# KiCad board Full Keyboard.kicad_pcb (continued)
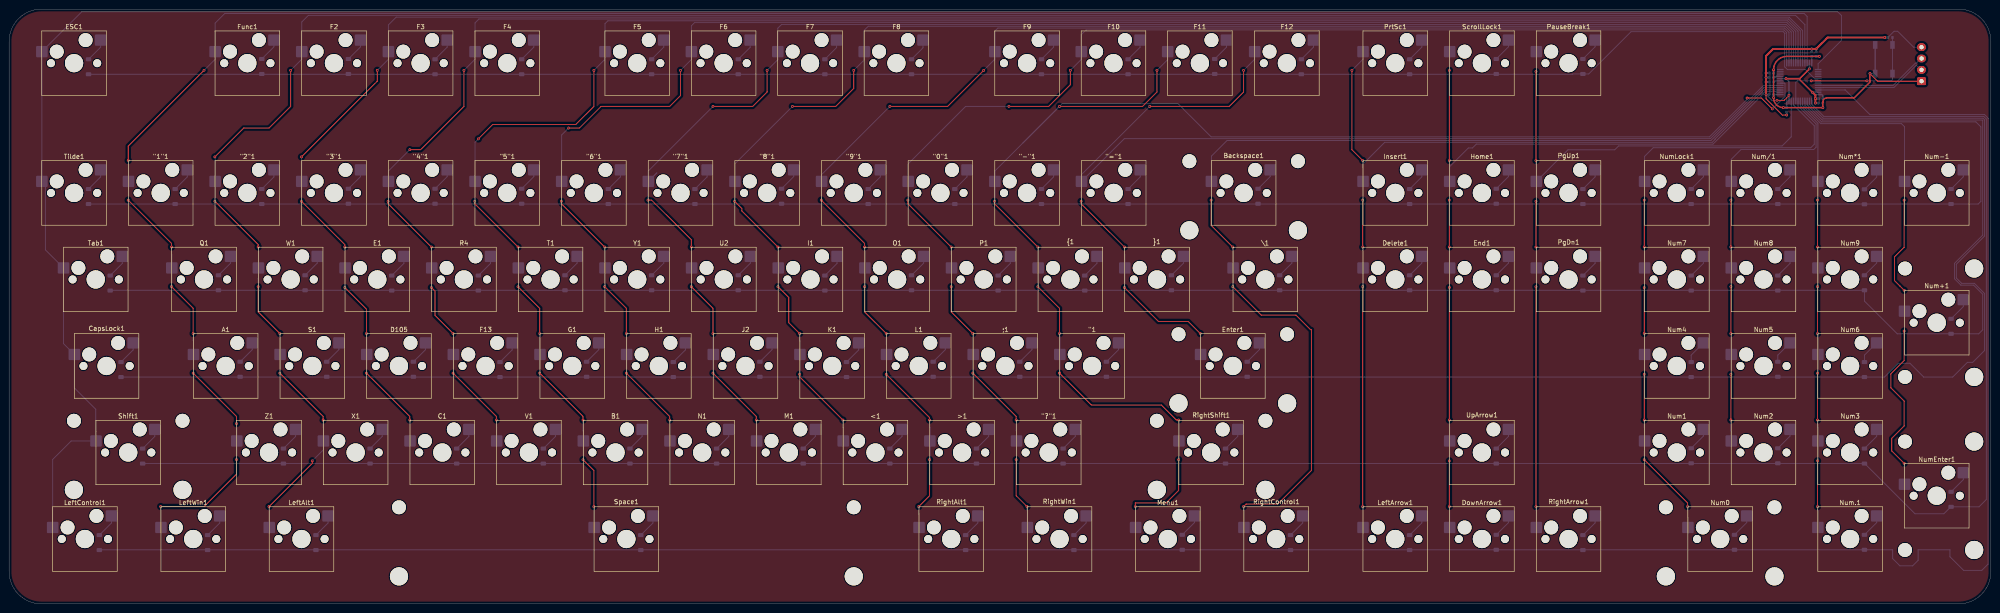
[diagram p0: board, top side]
## Nets (continued)
Net-(D28-A): "-"1.2 D28.2
Net-(D29-A): "="1.2 D29.2
Net-(D30-A): Backspace1.2 D30.2
Net-(D31-A): D31.2 Insert1.2
Net-(D32-A): D32.2 Home1.2
Net-(D33-A): D33.2 PgUp1.2
Net-(D34-A): D34.2 NumLock1.2
Net-(D35-A): D35.2 Num/1.2
Net-(D36-A): D36.2 Num*1.2
Net-(D37-A): D37.2 Num-1.2
Net-(D38-A): D38.2 Tab1.2
Net-(D39-A): D39.2 Q1.2
Net-(D40-A): D40.2 W1.2
Net-(D41-A): D41.2 E1.2
Net-(D42-A): D42.2 R4.2
Net-(D43-A): D43.2 T1.2
Net-(D44-A): D44.2 Y1.2
Net-(D45-A): D45.2 U2.2
Net-(D46-A): D46.2 I1.2
Net-(D47-A): D47.2 O1.2
Net-(D48-A): D48.2 P1.2
Net-(D49-A): D49.2 {1.2
Net-(D50-A): D50.2 }1.2
Net-(D51-A): \1.2 D51.2
Net-(D52-A): D52.2 Delete1.2
Net-(D53-A): D53.2 End1.2
Net-(D54-A): D54.2 PgDn1.2
Net-(D55-A): D55.2 Num7.2
Net-(D56-A): D56.2 Num8.2
Net-(D57-A): D57.2 Num9.2
Net-(D58-A): D58.2 Num+1.2
Net-(D59-A): CapsLock1.2 D59.2
Net-(D60-A): A1.2 D60.2
Net-(D61-A): D61.2 S1.2
Net-(D62-A): D62.2 D105.2
Net-(D63-A): D63.2 F13.2
Net-(D64-A): D64.2 G1.2
Net-(D65-A): D65.2 H1.2
Net-(D66-A): D66.2 J2.2
Net-(D67-A): D67.2 K1.2
Net-(D68-A): D68.2 L1.2
Net-(D69-A): ;1.2 D69.2
Net-(D70-A): "1.2 D70.2
Net-(D71-A): D71.2 Enter1.2
Net-(D72-A): D72.2 Num5.2
Net-(D73-A): D73.2 Num6.2
Net-(D74-A): D74.2 Num4.2
Net-(D75-A): D75.2 Shift1.2
Net-(D76-A): D76.2 Z1.2
Net-(D77-A): D77.2 X1.2
Net-(D78-A): C1.2 D78.2
Net-(D79-A): D79.2 V1.2
Net-(D80-A): B1.2 D80.2
Net-(D81-A): D81.2 N1.2
Net-(D82-A): D82.2 M1.2
Net-(D83-A): <1.2 D83.2
Net-(D84-A): >1.2 D84.2
Net-(D85-A): "?"1.2 D85.2
Net-(D86-A): D86.2 RightShift1.2
Net-(D87-A): D87.2 UpArrow1.2
Net-(D88-A): D88.2 Num1.2
Net-(D89-A): D89.2 Num2.2
Net-(D90-A): D90.2 Num3.2
Net-(D91-A): D91.2 NumEnter1.2
Net-(D92-A): D92.2 LeftControl1.2
Net-(D93-A): D93.2 LeftWin1.2
Net-(D94-A): D94.2 LeftAlt1.2
Net-(D95-A): D95.2 Space1.2
Net-(D96-A): D96.2 RightAlt1.2
Net-(D97-A): D97.2 RightWin1.2
Net-(D98-A): D98.2 Menu1.2
Net-(D99-A): D99.2 RightControl1.2
Net-(D100-A): D100.2 LeftArrow1.2
Net-(D101-A): D101.2 DownArrow1.2
Net-(D102-A): D102.2 RightArrow1.2
Net-(D103-A): D103.2 Num0.2
Net-(D104-A): D104.2 Num.1.2

## Via types
v1: diameter 0.6, hole 0.3, Top to Bottom, 181 vias

## Routing (per net, layer and track width the routed paths; a pad name or vN(x,y) marks a point on that pad's centre or on a via; arc(x,y) is an arc through that point)
+3.3V: length 79.5
  Top w0.2: v1(409.18,116.77) 410.86,115.09 J3.1
  Top w0.3: v1(409.18,116.77) 409.18,114.89 405.71,111.43 399.73,111.43 arc(399.08,111.16) 398.81,110.51 v1(398.81,109.27) v1(390.15,109.27) arc(388.61,109.91) v1(387.97,111.45) v1(387.97,117.6) arc(388.83,119.69) 390.92,120.56 v1(398.06,120.56)
  Bottom w0.3: U1.1 C10.2 v1(387.97,111.45) ; v1(409.18,116.77) SW1.1 SW1.1 ; v1(398.06,120.56) C12.2 C11.2 U1.24 ; U1.9 388.77,116.16 388.7,116.16 388.65,116.15 388.61,116.14 388.58,116.13 388.56,116.12 arc(388.33,115.97) 388.07,115.91 C14.2 C15.2 v1(387.97,117.61) ; U1.36 398.47,112.16 arc(398.71,112.06) 398.81,111.82 C16.2 C17.2 v1(398.81,109.27) ; U1.48 C13.2 v1(390.15,109.27)
GND: length 90.3
  Top w0.2: v1(391.36,112.01) 391.36,111.94 390.29,110.86 v1(388.74,110.86) ; v1(390.86,107.63) 389.92,107.63 386.33,111.22 v1(386.33,112.16)
  Top w0.3: v1(395.86,117.81) 393.71,115.66 v1(390.71,115.66) 393.51,115.66 v1(396.51,112.66)
  Top w0.4: v1(396.51,112.66) 397.17,112 v1(397.17,111.24) v1(397.17,110.26) ; v1(412.43,124.71) 399.86,124.71 v1(397.35,122.2) v1(396.36,122.2) 387.87,122.2 386.33,120.65 v1(386.33,116.89) v1(386.33,114.91) v1(386.33,112.16)
  Bottom w0.2: C10.1 v1(386.33,112.16) 387.64,110.85 388.75,110.85 388.74,110.86 v1(388.74,110.86) ; J3.4 418.76,122.59 415.26,126.09 414.48,126.09 R1.1
  Bottom w0.3: U1.47 v1(391.36,112.01) 391.36,115.01 v1(390.71,115.66) U1.8 ; U1.35 v1(396.51,112.66) ; U1.23 v1(395.86,117.81)
  Bottom w0.4: C7.2 v1(386.33,114.91) ; R1.1 v1(412.43,124.71) ; C13.1 v1(390.86,107.63) ; C11.1 v1(396.36,122.2) ; v1(397.17,111.24) C16.1 ; C14.1 v1(386.33,115.91) ; C15.1 v1(386.33,116.89) ; v1(397.17,110.26) C17.1 ; C12.1 v1(397.35,122.2)
/BOOT0: length 34.9
  Top w0.2: v1(408.53,115.16) v1(396.27,115.16)
  Bottom w0.2: U1.44 392.86,114.75 arc(392.98,115.04) 393.27,115.16 v1(396.27,115.16) ; v1(408.53,115.16) 413.76,115.17 arc(414.02,115.28) 414.12,115.54 SW1.2 SW1.2 414.13,124.71
/NRST: length 1.5
  Bottom w0.2: U1.7 388.57,115.16 arc(388.25,115.1) C7.1
Col0: length 530.6
  Bottom w0.2: U1.25 397.77,118.93 402.88,124.04 402.91,124.04 402.91,129.54 402.06,130.39 15.99,130.39 ESC1.1 Tilde1.1 7.98,92.25 7.98,77.96 Tab1.1 11.96,57.31 CapsLock1.1 14.35,47.57 19.05,42.86 19.05,38.1 19.11,38.04 Shift1.1 13.65,35.88 9.58,31.82 LeftControl1.1
Col1: length 503
  Top w0.2: v1(35.72,69.85) 40.48,65.09 v1(40.48,59.54) ; v1(26.19,88.9) 35.72,79.38 v1(35.72,78.58) ; v1(50,39.69) 50,41.28 v1(40.48,50.8) ; v1(42.86,117.48) 26.19,100.81 v1(26.19,97.63) ; v1(50,31.76) 50,28.57 42.86,21.43 40.48,21.43 40.47,21.44 v1(33.34,21.44)
  Bottom w0.2: v1(40.48,59.54) 40.48,57.95 40.54,57.89 A1.1 40.54,50.87 v1(40.48,50.8) ; v1(35.72,78.58) 35.72,77 35.78,76.94 Q1.1 35.78,69.91 v1(35.72,69.85) ; v1(26.19,88.9) 26.25,88.96 "1"1.1 26.25,96.78 26.19,96.84 v1(26.19,97.63) ; LeftWin1.1 33.4,20.58 33.34,20.64 v1(33.34,21.44) ; U1.22 395.36,129.34 394.71,129.99 47.41,129.99 45.3,127.88 Func1.1 45.3,119.92 v1(42.86,117.48) ; v1(50,31.76) 50.06,31.82 Z1.1 50.06,39.63 v1(50,39.69)
Col2: length 477.9
  Top w0.2: v1(69.05,40.49) 69.05,41.28 v1(59.53,50.8) ; v1(54.77,78.58) 54.77,79.12 v1(45.24,88.65) ; v1(57.15,21.44) 66.67,30.96 v1(66.67,31.5) ; v1(45.24,98.43) 51.59,104.78 57.15,104.78 61.91,109.54 v1(61.91,117.48) ; v1(54.77,69.85) 54.77,64.3 v1(59.53,59.54)
  Bottom w0.2: v1(45.24,98.43) 45.3,98.37 "2"1.1 45.3,89.38 45.24,89.32 v1(45.24,88.65) ; v1(54.77,78.58) 54.83,78.52 W1.1 54.83,71.71 54.77,71.65 v1(54.77,69.85) ; v1(59.53,59.54) 59.59,59.47 S1.1 59.59,50.87 v1(59.53,50.8) ; v1(61.91,117.48) 64.35,119.92 F2.1 64.35,128.13 65.81,129.59 392.81,129.59 394.86,127.54 U1.21 ; v1(69.05,40.49) 69.05,38.9 69.12,38.84 X1.1 69.12,33.94 v1(66.67,31.5) ; LeftAlt1.1 57.21,21.38 v1(57.15,21.44)
Col3: length 429.6
  Top w0.2: v1(64.29,88.65) 73.81,79.12 v1(73.81,78.58) ; v1(88.1,40.49) 88.1,41.28 v1(78.58,50.8) ; v1(73.81,69.66) 78.58,64.9 v1(78.58,59.54) ; v1(80.96,117.48) 80.96,115.09 v1(64.29,98.43)
  Bottom w0.2: C1.1 88.16,40.42 v1(88.1,40.49) ; v1(78.58,59.54) 78.64,59.47 D105.1 78.64,50.87 v1(78.58,50.8) ; v1(73.81,69.66) 73.88,69.72 E1.1 73.88,78.52 v1(73.81,78.58) ; v1(64.29,98.43) 64.35,98.36 "3"1.1 64.35,88.71 v1(64.29,88.65) ; U1.20 394.36,126.24 391.41,129.19 85.11,129.19 83.4,127.48 F3.1 83.4,119.92 v1(80.96,117.48)
Col4: length 411.3
  Top w0.2: v1(88.1,100.01) 90.48,100.01 100.01,109.54 v1(100.01,117.48) ; v1(97.63,59.54) 93.66,63.5 93.66,68.87 v1(92.86,69.66) ; v1(83.34,88.65) 83.34,88.11 v1(92.86,78.58) ; v1(97.63,50.8) 107.15,41.28 v1(107.15,40.49)
  Bottom w0.2: V1.1 107.22,38.83 107.15,38.9 v1(107.15,40.49) ; v1(92.86,78.58) 92.86,77.79 92.93,77.73 R4.1 92.93,69.72 v1(92.86,69.66) ; v1(97.63,50.8) 97.69,50.87 F13.1 97.69,59.47 v1(97.63,59.54) ; v1(83.34,88.65) 83.4,88.71 "4"1.1 83.4,95.32 v1(88.1,100.01) ; v1(100.01,117.48) 102.45,119.92 F4.1 102.45,127.93 103.31,128.79 391.25,128.79 393.86,126.17 U1.19
Col5: length 415.1
  Top w0.2: v1(116.67,59.54) 116.67,65.09 v1(111.91,69.85) ; v1(103.18,102.4) 106.36,105.57 124.61,105.57 128.58,109.54 v1(128.58,117.48) ; v1(126.2,40.49) 126.2,41.28 v1(116.67,50.8) ; v1(126.2,31.76) 128.58,29.38 v1(128.58,21.44) ; v1(102.39,88.65) 102.39,88.11 v1(111.91,78.58)
  Bottom w0.2: v1(111.91,69.85) 111.98,69.92 T1.1 111.98,78.52 v1(111.91,78.58) ; Space1.1 128.65,21.37 v1(128.58,21.44) ; v1(128.58,117.48) 131.03,119.92 F5.1 131.03,127.75 131.66,128.39 391.08,128.39 393.36,126.11 U1.18 ; v1(126.2,31.76) 126.26,31.82 B1.1 126.26,38.04 126.2,38.11 v1(126.2,40.49) ; v1(102.39,88.65) 102.45,88.71 "5"1.1 102.45,101.67 v1(103.18,102.4) ; v1(116.67,59.54) 116.74,59.47 G1.1 116.74,50.87 v1(116.67,50.8)
Col6: length 374.4
  Top w0.2: v1(135.72,59.54) 135.72,65.09 v1(130.96,69.85) ; v1(121.44,88.65) 121.44,88.11 v1(130.96,78.58) ; v1(123.02,104.78) 125.4,104.78 130.17,109.54 145.25,109.54 147.63,111.92 v1(147.63,117.48) ; v1(135.72,50.8) 145.25,41.28 v1(145.25,40.49)
  Bottom w0.2: U1.17 392.86,126.04 390.92,127.99 150.71,127.99 150.03,127.3 F6.1 150.03,119.87 v1(147.63,117.48) ; N1.1 145.25,35.95 v1(145.25,40.49) ; v1(130.96,69.85) 131.03,69.92 Y1.1 131.03,77.72 130.96,77.79 v1(130.96,78.58) ; v1(123.02,104.78) 121.5,103.26 "6"1.1 121.5,88.71 v1(121.44,88.65) ; v1(135.72,59.54) 135.72,58.74 135.79,58.67 H1.1 135.79,50.87 v1(135.72,50.8)
Col7: length 354.8
  Top w0.2: v1(154.77,59.54) 154.77,65.09 v1(150.01,69.85) ; v1(154.77,50.8) 164.3,41.28 v1(164.3,40.49) ; v1(154.77,109.54) 163.5,109.54 166.68,112.71 v1(166.68,117.48) ; v1(140.49,88.9) 141.28,88.9 150.01,80.17 v1(150.01,78.58)
  Bottom w0.2: v1(166.68,117.48) 169.03,119.83 F7.1 169.03,126.75 169.86,127.59 390.75,127.59 392.36,125.97 U1.16 ; v1(140.49,88.9) 140.49,92.96 142.43,94.9 "7"1.1 140.55,95.32 v1(154.77,109.54) ; v1(154.77,50.8) 154.84,50.87 J2.1 154.84,59.47 v1(154.77,59.54) ; v1(150.01,78.58) 150.08,78.52 U2.1 150.08,69.92 v1(150.01,69.85) ; v1(164.3,40.49) 164.3,39.69 164.37,39.62 M1.1
Col8: length 329.4
  Top w0.2: v1(169.06,78.58) 161.12,86.52 161.12,87.06 v1(159.53,88.65) ; v1(185.73,117.48) 185.73,113.51 181.76,109.54 v1(172.23,109.54) ; v1(173.82,50.55) 173.82,50.01 v1(183.34,40.49) ; v1(173.82,59.54) 171.44,61.92 171.44,67.47 v1(169.06,69.85)
  Bottom w0.2: v1(183.34,40.49) 183.34,38.9 183.42,38.83 <1.1 ; v1(173.82,50.55) 173.89,50.62 K1.1 173.89,57.88 173.82,57.95 v1(173.82,59.54) ; v1(159.53,88.65) 159.6,88.71 "8"1.1 159.6,96.91 v1(172.23,109.54) ; U1.15 391.86,125.91 390.58,127.19 188.91,127.19 188.03,126.3 F8.1 188.03,119.78 v1(185.73,117.48) ; v1(169.06,69.85) 169.13,69.92 I1.1 169.13,78.52 v1(169.06,78.58)
Col9: length 325.6
  Top w0.2: v1(192.87,59.54) 188.11,64.3 v1(188.11,69.85) ; v1(214.3,117.48) 206.36,109.54 v1(193.66,109.54) ; v1(188.11,78.58) 188.11,79.38 v1(178.58,88.9) ; v1(192.87,50.55) 202.39,41.02 v1(202.39,40.49) ; v1(200.01,21.44) 202.39,23.82 v1(202.39,31.76)
  Bottom w0.2: U1.14 391.36,125.84 390.42,126.79 217.41,126.79 216.75,126.13 F9.1 216.75,119.93 v1(214.3,117.48) ; v1(200.01,21.44) 200.01,19.85 200.08,19.78 RightAlt1.1 ; v1(202.39,40.49) 202.39,38.9 202.46,38.83 >1.1 202.46,31.83 v1(202.39,31.76) ; v1(188.11,78.58) 188.11,77.79 188.18,77.72 O1.1 188.18,69.92 v1(188.11,69.85) ; v1(178.58,88.9) 178.65,88.97 "9"1.1 178.65,94.53 v1(193.66,109.54) ; v1(192.87,50.55) 192.94,50.62 L1.1 192.94,57.08 192.87,57.15 v1(192.87,59.54)
Col10: length 308.5
  Top w0.2: v1(197.63,88.9) 197.63,88.11 v1(207.16,78.58) ; v1(207.16,69.85) 207.16,64.3 v1(211.92,59.54) ; v1(219.86,109.54) 228.59,109.54 233.35,114.3 v1(233.35,117.48) ; v1(221.44,31.76) 221.44,23.82 v1(223.82,21.44) ; v1(221.44,40.49) 221.44,41.28 v1(211.92,50.8)
  Bottom w0.2: v1(221.44,40.49) 221.44,38.11 221.51,38.03 "?"1.1 221.51,31.83 v1(221.44,31.76) ; v1(219.86,109.54) 210.33,109.54 197.7,96.91 "0"1.1 197.7,88.97 v1(197.63,88.9) ; U1.13 390.86,125.78 390.25,126.39 236.81,126.39 235.75,125.33 F10.1 235.75,119.88 v1(233.35,117.48) ; v1(223.82,21.44) 223.82,20.64 223.9,20.57 RightWin1.1 ; v1(207.16,69.85) 207.23,69.93 P1.1 207.23,76.93 207.16,77 v1(207.16,78.58) ; v1(211.92,50.8) 211.99,50.88 ;1.1 211.99,59.46 v1(211.92,59.54)
Col11: length 349.3
  Top w0.2: v1(252.4,117.48) 252.4,112.71 249.22,109.54 v1(230.97,109.54) ; v1(216.68,88.65) 216.68,88.11 v1(226.2,78.58) ; v1(382.16,111.39) 385.31,111.39 v1(387.71,108.99) ; v1(230.97,50.8) 237.98,43.79 253.36,43.79 256.66,40.49 v1(257.16,40.49) ; v1(226.2,69.85) 230.97,65.09 v1(230.97,59.54) ; v1(257.16,31.76) 257.16,24.98 254.41,22.23 247.63,22.23 v1(247.63,21.44)
  Bottom w0.2: F11.1 254.75,119.83 v1(252.4,117.48) ; v1(382.16,111.39) 382.16,111.29 382.25,111.2 373.89,102.84 264.31,102.84 257.01,110.14 231.57,110.14 222.96,101.54 ; 222.96,101.54 v1(230.97,109.54) ; 222.96,101.54 216.75,95.32 "-"1.1 216.75,88.72 v1(216.68,88.65) ; v1(257.16,31.76) 257.23,31.83 RightShift1.1 257.23,40.41 v1(257.16,40.49) ; v1(230.97,50.8) 231.04,50.88 "1.1 231.04,59.46 v1(230.97,59.54) ; v1(387.71,108.99) 390.49,111.76 390.49,114.56 390.39,114.66 U1.6 ; Menu1.1 247.71,21.36 v1(247.63,21.44) ; v1(226.2,78.58) 226.28,78.51 {1.1 226.28,69.93 v1(226.2,69.85)
Col12: length 269.9
  Top w0.2: v1(271.45,117.48) 271.45,112.71 268.27,109.54 v1(250.81,109.54) ; v1(235.73,88.65) 235.73,88.11 v1(245.25,78.58) ; v1(245.25,69.66) 252.73,62.19 259.27,62.19 v1(261.92,59.54)
  Bottom w0.2: v1(250.81,109.54) 235.8,94.53 "="1.1 ; "="1.1 245.21,102.44 374.06,102.44 385.78,114.16 U1.5 ; "="1.1 235.8,90.76 235.73,90.69 v1(235.73,88.65) ; v1(271.45,117.48) 273.88,119.91 F12.1 ; Enter1.1 262,59.46 v1(261.92,59.54) ; v1(245.25,69.66) 245.33,69.73 }1.1 245.33,76.92 245.25,77 v1(245.25,78.58)
Col13: length 237.2
  Top w0.2: v1(269.06,78.58) 264.3,83.35 v1(264.3,88.9) ; v1(271.45,21.44) 272,21.99 278.96,21.99 286.36,29.39 286.36,60.39 286.16,60.39 282.96,63.59 275.33,63.59 v1(269.06,69.85)
  Bottom w0.2: U1.4 385.85,113.66 374.23,102.04 267.81,102.04 264.38,98.6 Backspace1.1 264.38,88.98 v1(264.3,88.9) ; v1(269.06,69.85) 269.14,69.93 \1.1 269.14,77.72 269.06,77.79 v1(269.06,78.58) ; RightControl1.1 271.52,20.57 271.45,20.64 v1(271.45,21.44)
Col14: length 205.6
  Top w0.2: v1(297.64,88.9) v1(297.64,78.58) ; v1(297.64,69.85) v1(297.64,21.44) ; v1(297.64,97.63) 295.26,100.01 v1(295.26,117.48)
  Bottom w0.2: 297.64,96.79 297.64,96.05 297.71,95.97 Insert1.1 297.71,88.98 v1(297.64,88.9) ; 297.64,96.79 v1(297.64,97.63) ; 297.64,96.79 302.49,101.64 374.5,101.64 375.1,102.25 375.1,102.35 385.93,113.17 389.44,113.17 U1.3 ; LeftArrow1.1 297.71,21.36 v1(297.64,21.44) ; v1(297.64,78.58) 297.64,77.79 297.71,77.71 Delete1.1 297.71,69.93 v1(297.64,69.85) ; PrtSc1.1 297.71,119.93 v1(295.26,117.48)
Col15: length 184.7
  Top w0.2: v1(316.69,88.9) v1(316.69,78.58) ; v1(316.69,117.48) v1(316.69,97.63) ; v1(316.69,31.5) v1(316.69,21.44) ; v1(316.69,69.66) v1(316.69,40.49)
  Bottom w0.2: v1(316.69,117.48) 316.76,117.55 ScrollLock1.1 ; v1(316.69,78.58) 316.69,74.06 End1.1 316.76,69.74 v1(316.69,69.66) ; DownArrow1.1 316.76,20.57 316.69,20.64 v1(316.69,21.44) ; 316.76,96.29 320.87,100.39 321.76,100.39 322.61,101.24 374.66,101.24 385.66,112.24 385.66,112.34 386.09,112.77 388.58,112.77 388.69,112.66 U1.2 ; 316.76,96.29 Home1.1 316.76,88.98 v1(316.69,88.9) ; 316.76,96.29 316.76,96.76 316.69,96.84 v1(316.69,97.63) ; v1(316.69,40.49) 316.69,38.9 316.76,38.82 UpArrow1.1 316.76,32.81 316.69,32.73 v1(316.69,31.5)
Col16: length 173
  Top w0.2: v1(335.74,117.22) v1(335.74,97.63) ; v1(335.74,88.65) v1(335.74,78.58) ; v1(335.74,69.85) v1(335.74,21.44)
  Bottom w0.2: PauseBreak1.1 335.81,117.3 v1(335.74,117.22) ; v1(335.74,97.63) 335.74,96.84 335.81,96.76 PgUp1.1 ; v1(335.74,69.85) 335.81,69.93 PgDn1.1 335.81,78.5 v1(335.74,78.58) ; v1(335.74,88.65) 335.81,88.73 PgUp1.1 ; PgUp1.1 342.77,99.99 353.06,99.99 353.91,100.84 389.86,100.84 391.86,102.84 U1.46 ; v1(335.74,21.44) 335.74,20.64 335.81,20.56 RightArrow1.1
Col17: length 135.8
  Top w0.2: v1(359.55,31.76) 369.07,22.23 v1(369.07,21.44) ; v1(359.55,69.66) v1(359.55,59.54) ; v1(359.55,50.55) v1(359.55,40.49) ; v1(359.55,88.9) v1(359.55,78.58)
  Bottom w0.2: v1(359.55,88.9) 359.63,88.98 NumLock1.1 359.63,98.55 361.51,100.44 396.16,100.44 396.93,101.2 396.93,105.29 392.36,109.85 U1.45 ; v1(359.55,50.55) 359.63,50.63 Num4.1 359.63,59.45 v1(359.55,59.54) ; Num0.1 369.15,18.98 369.07,19.06 v1(369.07,21.44) ; v1(359.55,31.76) 359.55,33.53 359.63,33.61 Num1.1 359.63,38.82 359.55,38.9 v1(359.55,40.49) ; v1(359.55,69.66) 359.63,69.74 Num7.1 359.63,77.71 359.55,77.79 v1(359.55,78.58)
Col18: length 93.8
  Top w0.2: v1(378.6,69.85) v1(378.6,59.54) ; v1(378.6,50.55) v1(378.6,40.49) ; v1(378.6,88.9) v1(378.6,78.58)
  Bottom w0.2: U1.43 393.36,109.62 397.33,105.65 397.33,100.55 396.81,100.04 380.81,100.04 378.68,97.9 Num/1.1 378.68,88.98 v1(378.6,88.9) ; v1(378.6,50.55) 378.68,50.63 Num5.1 378.68,59.45 v1(378.6,59.54) ; v1(378.6,78.58) 378.6,77.79 378.68,77.71 Num8.1 378.68,69.94 v1(378.6,69.85) ; Num2.1 378.68,38.02 378.6,38.11 v1(378.6,40.49)
Col19: length 95.8
  Top w0.2: v1(397.64,50.8) v1(397.64,40.49) ; v1(397.64,69.85) v1(397.64,59.54) ; v1(397.64,88.9) v1(397.64,78.58) ; v1(397.64,31.5) v1(397.64,21.44)
  Bottom w0.2: v1(397.64,21.44) 397.64,20.64 397.73,20.56 Num.1.1 ; v1(397.64,50.8) 397.73,50.89 Num6.1 397.73,59.45 v1(397.64,59.54) ; v1(397.64,88.9) 397.73,88.99 Num*1.1 397.73,105.82 393.86,109.68 U1.42 ; v1(397.64,69.85) 397.73,69.94 Num9.1 397.73,77.71 397.64,77.79 v1(397.64,78.58) ; v1(397.64,40.49) 397.64,38.9 397.73,38.82 Num3.1 397.73,31.58 v1(397.64,31.5)
Col20: length 110.7
  Top w0.2: v1(416.69,69.06) 415.77,69.99 415.76,69.99 414.56,71.19 414.56,76.39 416.69,78.52 v1(416.69,88.9) ; v1(416.69,60.07) 416.69,53.59 413.76,50.66 413.76,47.59 416.69,44.66 416.69,39.19 413.96,36.46 413.96,33.69 v1(416.69,30.96)
  Bottom w0.2: v1(416.69,88.9) 416.78,88.99 Num-1.1 416.78,105.07 416.11,105.74 398.37,105.74 394.36,109.75 U1.41 ; v1(416.69,69.06) 416.78,68.98 Num+1.1 416.78,60.16 v1(416.69,60.07) ; NumEnter1.1 416.78,30.08 416.69,30.17 v1(416.69,30.96)
MCU_D+: length 25.2
  Bottom w0.2: U1.33 398.88,113.66 398.91,113.69 414.43,113.69 419.36,118.61 419.36,118.61 420.39,117.59 J3.2
MCU_D-: length 25.2
  Bottom w0.2: J3.3 420.39,120.09 419.36,119.06 419.17,119.06 414.24,114.14 398.91,114.14 398.88,114.16 U1.32
Row0: length 392.9
  Bottom w0.2: U1.29 397.73,115.61 397.04,115.61 397.01,115.64 397.01,115.66 395.03,117.64 391.03,117.64 390.41,118.26 390.41,125.56 390.46,125.61 390.09,125.99 356.64,125.99 347.33,116.68 D15.1 343.84,116.68 343.78,116.62 D1.1
Row1: length 474.4
  Bottom w0.2: U1.40 394.86,109.82 398.54,106.14 432.46,106.14 433.56,105.04 433.56,88.64 432.97,88.05 D37.1 D17.1
Row2: length 511.3
  Bottom w0.2: D38.1 22.29,69.06 D57.1 407.96,66.68 415.17,59.47 D58.1 433.1,59.47 433.96,60.34 433.96,68.19 431.96,70.19 429.16,70.19 427.76,71.59 427.76,74.99 433.96,81.19 433.96,106.44 433.87,106.54 398.71,106.54 395.36,109.88 U1.39
Row3: length 513
  Bottom w0.2: D59.1 D73.1 412.36,49.95 415.4,52.99 417.96,52.99 420.96,49.99 420.96,49.95 427.36,49.95 430.6,53.19 431.76,53.19 434.36,55.79 434.36,68.35 432.13,70.59 429.33,70.59 428.16,71.75 428.16,74.79 434.36,80.99 434.36,106.61 434.03,106.94 398.87,106.94 395.86,109.95 U1.38
Row4: length 535.5
  Bottom w0.2: D75.1 D90.1 408.02,30.9 419.07,19.85 425.42,19.85 426.95,21.38 D91.1 433.15,21.38 434.76,22.99 434.76,106.77 434.2,107.34 399.04,107.34 396.36,110.01 U1.37
Row5: length 562.2
  Bottom w0.2: D92.1 19.91,11.91 D104.1 414.16,11.91 414.16,9.99 415.76,8.39 418.56,8.39 419.76,9.59 419.76,11.91 426.76,11.91 426.76,10.39 429.76,7.39 433.76,7.39 435.16,8.79 435.16,106.94 434.36,107.74 409.16,107.74 403.71,113.19 403.69,113.16 U1.34
Net-(D1-A): length 5.3
  Bottom w0.2: ESC1.2 20.13,122.59 D1.2
Net-(D2-A): length 5.3
  Bottom w0.2: D2.2 58.23,122.65 Func1.2
Net-(D3-A): length 5.3
  Bottom w0.2: F2.2 77.28,122.65 D3.2
Net-(D4-A): length 5.3
  Bottom w0.2: D4.2 96.33,122.59 F3.2
Net-(D5-A): length 5.3
  Bottom w0.2: D5.2 115.38,122.59 F4.2
Net-(D6-A): length 5.3
  Bottom w0.2: F5.2 143.95,122.6 D6.2
Net-(D7-A): length 5.3
  Bottom w0.2: D7.2 162.95,122.55 F6.2
Net-(D8-A): length 5.3
  Bottom w0.2: D8.2 181.95,122.5 F7.2
Net-(D9-A): length 5.3
  Bottom w0.2: D9.2 200.95,122.45 F8.2
Net-(D10-A): length 5.3
  Bottom w0.2: D10.2 229.68,122.6 F9.2
Net-(D11-A): length 5.3
  Bottom w0.2: D11.2 248.68,122.55 F10.2
Net-(D12-A): length 5.2
  Bottom w0.2: F11.2 267.68,122.57 D12.2
Net-(D13-A): length 5.3
  Bottom w0.2: PrtSc1.2 310.64,122.61 D13.2
Net-(D14-A): length 5.3
  Bottom w0.2: D14.2 329.69,122.67 ScrollLock1.2
Net-(D15-A): length 5.3
  Bottom w0.2: D15.2 348.74,122.67 PauseBreak1.2
Net-(D16-A): length 5.3
  Bottom w0.2: F12.2 286.81,122.58 D16.2
Net-(D17-A): length 5.3
  Bottom w0.2: Tilde1.2 20.13,94.01 D17.2
Net-(D18-A): length 5.3
  Bottom w0.2: D18.2 39.18,94.02 "1"1.2
Net-(D19-A): length 5.3
  Bottom w0.2: "2"1.2 58.23,94.02 D19.2
Net-(D20-A): length 5.3
  Bottom w0.2: "3"1.2 77.28,94.08 D20.2
Net-(D21-A): length 5.3
  Bottom w0.2: D21.2 96.33,94.08 "4"1.2
Net-(D22-A): length 5.3
  Bottom w0.2: "5"1.2 115.38,94.08 D22.2
Net-(D23-A): length 5.3
  Bottom w0.2: "6"1.2 134.43,94.02 D23.2
Net-(D24-A): length 5.3
  Bottom w0.2: D24.2 153.48,94.02 "7"1.2
Net-(D25-A): length 5.3
  Bottom w0.2: D25.2 172.53,94.09 "8"1.2
Net-(D26-A): length 5.3
  Bottom w0.2: "9"1.2 191.58,94.02 D26.2
Net-(D27-A): length 5.3
  Bottom w0.2: "0"1.2 210.63,94.03 D27.2
Net-(D28-A): length 5.3
  Bottom w0.2: "-"1.2 229.68,94.03 D28.2
Net-(D29-A): length 5.3
  Bottom w0.2: D29.2 248.73,94.03 "="1.2
Net-(D30-A): length 5.3
  Bottom w0.2: Backspace1.2 277.3,94.09 D30.2
Net-(D31-A): length 5.3
  Bottom w0.2: D31.2 310.64,94.03 Insert1.2
Net-(D32-A): length 5.3
  Bottom w0.2: D32.2 329.69,94.1 Home1.2
Net-(D33-A): length 5.3
  Bottom w0.2: D33.2 348.74,94.03 PgUp1.2
Net-(D34-A): length 5.3
  Bottom w0.2: NumLock1.2 372.55,94.04 D34.2
Net-(D35-A): length 5.3
  Bottom w0.2: D35.2 391.6,94.04 Num/1.2
Net-(D36-A): length 5.4
  Bottom w0.2: D36.2 410.65,93.98 Num*1.2
Net-(D37-A): length 5.3
  Bottom w0.2: Num-1.2 429.7,94.04 D37.2
Net-(D38-A): length 5.3
  Bottom w0.2: Tab1.2 24.89,74.97 D38.2
Net-(D39-A): length 5.3
  Bottom w0.2: D39.2 48.7,75.03 Q1.2
Net-(D40-A): length 5.3
  Bottom w0.2: D40.2 67.75,75.03 W1.2
Net-(D41-A): length 5.3
  Bottom w0.2: E1.2 86.8,74.97 D41.2
Net-(D42-A): length 5.3
  Bottom w0.2: R4.2 105.85,74.97 D42.2
Net-(D43-A): length 5.3
  Bottom w0.2: D43.2 124.9,75.03 T1.2
Net-(D44-A): length 5.3
  Bottom w0.2: Y1.2 143.95,75.04 D44.2
Net-(D45-A): length 5.3
  Bottom w0.2: U2.2 163,75.04 D45.2
Net-(D46-A): length 5.3
  Bottom w0.2: D46.2 182.05,74.98 I1.2
Net-(D47-A): length 5.3
  Bottom w0.2: O1.2 201.1,75.04 D47.2
Net-(D48-A): length 5.3
  Bottom w0.2: P1.2 220.15,74.98 D48.2
Net-(D49-A): length 5.3
  Bottom w0.2: D49.2 239.2,74.98 {1.2
Net-(D50-A): length 5.3
  Bottom w0.2: D50.2 258.25,75.04 }1.2
Net-(D51-A): length 5.3
  Bottom w0.2: \1.2 282.07,75.04 D51.2
Net-(D52-A): length 5.3
  Bottom w0.2: Delete1.2 310.64,75.05 D52.2
Net-(D53-A): length 5.3
  Bottom w0.2: D53.2 329.69,75.05 End1.2
Net-(D54-A): length 5.3
  Bottom w0.2: D54.2 348.74,74.99 PgDn1.2
Net-(D55-A): length 5.3
  Bottom w0.2: Num7.2 372.55,74.99 D55.2
Net-(D56-A): length 5.3
  Bottom w0.2: Num8.2 391.6,74.99 D56.2
Net-(D57-A): length 5.3
  Bottom w0.2: D57.2 410.65,75.05 Num9.2
Net-(D58-A): length 5.3
  Bottom w0.2: Num+1.2 429.7,65.47 D58.2
Net-(D59-A): length 5.3
  Bottom w0.2: CapsLock1.2 27.27,55.92 D59.2
Net-(D60-A): length 5.3
  Bottom w0.2: A1.2 53.47,55.98 D60.2
Net-(D61-A): length 5.3
  Bottom w0.2: D61.2 72.52,55.98 S1.2
Net-(D62-A): length 5.3
  Bottom w0.2: D62.2 91.57,55.98 D105.2
Net-(D63-A): length 5.3
  Bottom w0.2: D63.2 110.62,55.92 F13.2
Net-(D64-A): length 5.3
  Bottom w0.2: D64.2 129.67,55.99 G1.2
Net-(D65-A): length 5.3
  Bottom w0.2: D65.2 148.72,55.92 H1.2
Net-(D66-A): length 5.3
  Bottom w0.2: J2.2 167.77,55.99 D66.2
Net-(D67-A): length 5.3
  Bottom w0.2: K1.2 186.82,55.93 D67.2
Net-(D68-A): length 5.3
  Bottom w0.2: D68.2 205.87,55.99 L1.2
Net-(D69-A): length 5.3
  Bottom w0.2: ;1.2 224.92,55.99 D69.2
Net-(D70-A): length 5.3
  Bottom w0.2: D70.2 243.97,55.99 "1.2
Net-(D71-A): length 5.3
  Bottom w0.2: Enter1.2 274.92,56 D71.2
Net-(D72-A): length 5.3
  Bottom w0.2: D72.2 388.91,54.78 Num5.2
Net-(D73-A): length 5.3
  Bottom w0.2: Num6.2 407.96,54.78 D73.2
Net-(D74-A): length 5.3
  Bottom w0.2: Num4.2 369.86,54.78 D74.2
Net-(D75-A): length 5.3
  Bottom w0.2: D75.2 32.04,36.87 Shift1.2
Net-(D76-A): length 5.3
  Bottom w0.2: D76.2 62.99,36.87 Z1.2
Net-(D77-A): length 5.3
  Bottom w0.2: D77.2 82.04,36.87 X1.2
Net-(D78-A): length 5.3
  Bottom w0.2: D78.2 101.09,36.87 C1.2
Net-(D79-A): length 5.3
  Bottom w0.2: D79.2 120.14,36.87 V1.2
Net-(D80-A): length 5.3
  Bottom w0.2: B1.2 139.19,36.88 D80.2
Net-(D81-A): length 5.3
  Bottom w0.2: N1.2 158.24,36.88 D81.2
Net-(D82-A): length 5.3
  Bottom w0.2: M1.2 177.29,36.88 D82.2
Net-(D83-A): length 5.3
  Bottom w0.2: D83.2 196.34,36.88 <1.2
Net-(D84-A): length 5.3
  Bottom w0.2: >1.2 215.39,36.88 D84.2
Net-(D85-A): length 5.3
  Bottom w0.2: "?"1.2 234.44,36.88 D85.2
Net-(D86-A): length 5.3
  Bottom w0.2: D86.2 270.16,36.88 RightShift1.2
Net-(D87-A): length 5.3
  Bottom w0.2: UpArrow1.2 329.69,36.89 D87.2
Net-(D88-A): length 5.3
  Bottom w0.2: D88.2 372.55,36.95 Num1.2
Net-(D89-A): length 5.3
  Bottom w0.2: D89.2 391.6,36.95 Num2.2
Net-(D90-A): length 5.3
  Bottom w0.2: Num3.2 410.65,36.89 D90.2
Net-(D91-A): length 5.3
  Bottom w0.2: D91.2 429.7,27.37 NumEnter1.2
Net-(D92-A): length 5.3
  Bottom w0.2: LeftControl1.2 22.51,17.82 D92.2
Net-(D93-A): length 5.3
  Bottom w0.2: LeftWin1.2 46.32,17.82 D93.2
Net-(D94-A): length 5.3
  Bottom w0.2: LeftAlt1.2 70.14,17.82 D94.2
Net-(D95-A): length 5.3
  Bottom w0.2: Space1.2 141.57,17.83 D95.2
Net-(D96-A): length 5.3
  Bottom w0.2: D96.2 213.01,17.83 RightAlt1.2
Net-(D97-A): length 5.3
  Bottom w0.2: D97.2 236.82,17.83 RightWin1.2
Net-(D98-A): length 5.3
  Bottom w0.2: D98.2 260.64,17.9 Menu1.2
Net-(D99-A): length 5.3
  Bottom w0.2: D99.2 284.45,17.84 RightControl1.2
Net-(D100-A): length 5.3
  Bottom w0.2: LeftArrow1.2 310.64,17.84 D100.2
Net-(D101-A): length 5.3
  Bottom w0.2: DownArrow1.2 329.69,17.9 D101.2
Net-(D102-A): length 5.3
  Bottom w0.2: RightArrow1.2 348.74,17.84 D102.2
Net-(D103-A): length 5.3
  Bottom w0.2: Num0.2 382.08,17.9 D103.2
Net-(D104-A): length 5.3
  Bottom w0.2: Num.1.2 410.65,17.91 D104.2

## Copper pours and planes (outline as drawn; the poured copper is in the pictures)
(no net) on Top, Bottom: 447.26,155.09 445.51,-24.41 -48.99,-12.91 -38.74,169.84 -37.99,169.84 -36.99,169.34 -36.24,169.34 -28.99,166.59
